# KiCad board analog_i.kicad_pcb (continued)
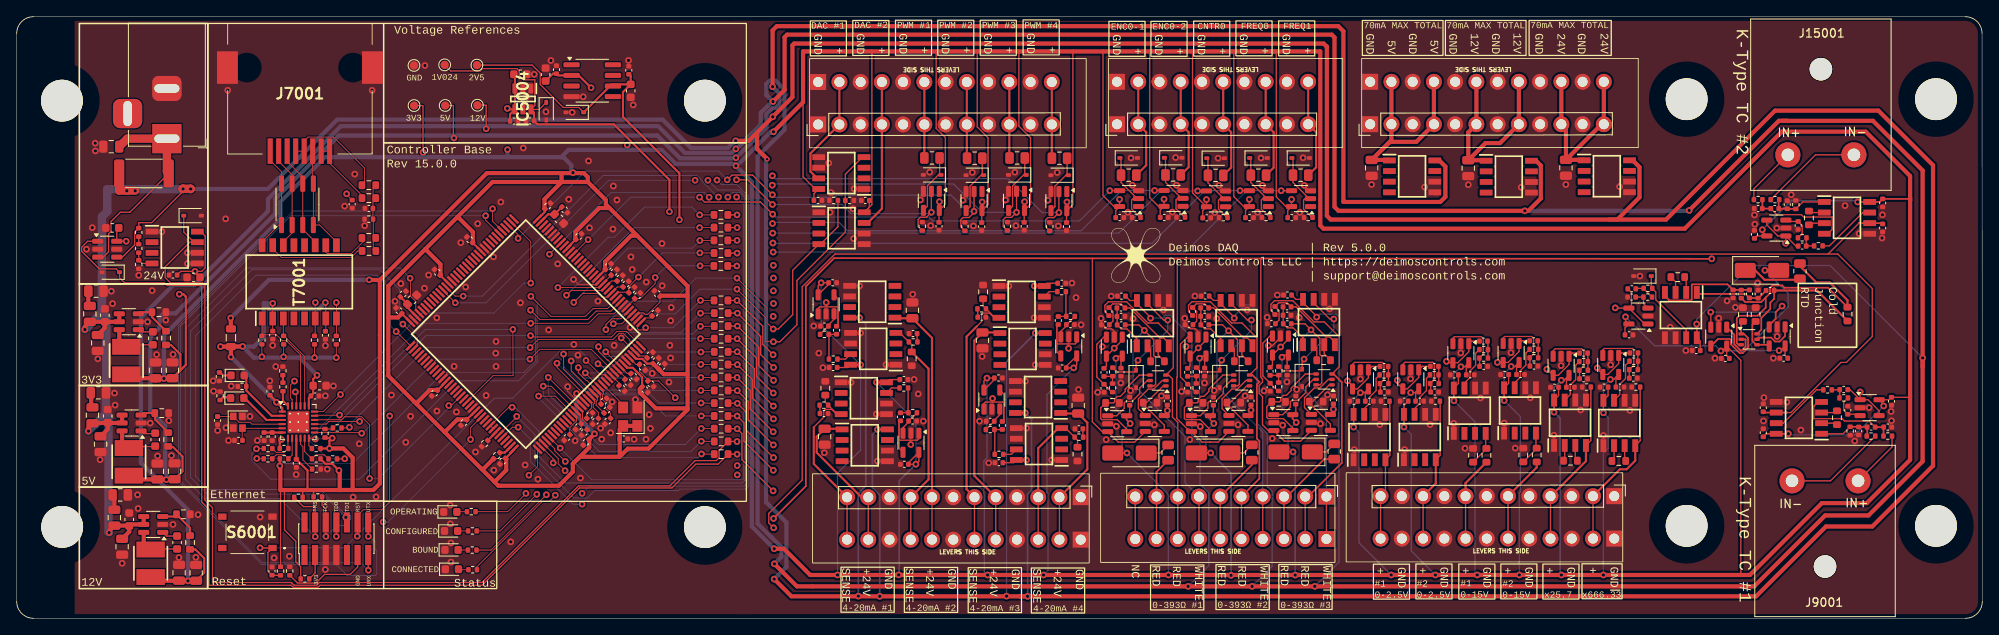
[diagram p0: board, top side]
## Nets (continued)
/analog_frontend/4-20mA Frontend1/sallen_key_3kHz3/VIN: IC14001.7 R33001.1
/analog_frontend/4-20mA Frontend2/sallen_key_3kHz3/VIN: IC18001.7 R31001.1
/analog_frontend/4-20mA Frontend3/sallen_key_3kHz3/VIN: IC22001.7 R29001.1
/analog_frontend/4-20mA Frontend/sallen_key_3kHz3/VIN: IC11001.7 R35001.1
/analog_frontend/ain_0-15V_1/sallen_key_3kHz8/VIN: IC40001.7 R41001.1
/analog_frontend/ain_0-15V_1/VIN: J3004.6 R40001.2
/analog_frontend/ain_0-15V_/sallen_key_3kHz8/VIN: IC42001.7 R43001.1
/analog_frontend/ain_0-15V_/VIN: J3004.8 R42001.2
/analog_frontend/ain_g1_1/sallen_key_3kHz7/VIN: IC44001.7 R45001.1
/analog_frontend/ain_g1_1/VIN: IC44001.4 J3004.10 R44001.1
/analog_frontend/ain_g1_/sallen_key_3kHz7/VIN: IC46001.7 R47001.1
/analog_frontend/ain_g1_/VIN: IC46001.4 J3004.12 R46001.1
/analog_frontend/ain_g25p7_/sallen_key_1kHz2/VIN: IC38001.7 R39001.1
/analog_frontend/ain_g25p7_/VIN: IC38001.4 J3004.4 R38002.1
/analog_frontend/ain_g666p333_/sallen_key_100Hz1/VIN: IC36001.7 R37001.2
/analog_frontend/ain_g666p333_/VIN: IC36001.4 J3004.2 R36002.1
/analog_frontend/K-Type TC Amp1/sallen_key_1kHz/VIN: IC15001.7 R19001.1
/analog_frontend/K-Type TC Amp/sallen_key_1kHz/VIN: IC9001.7 R17001.1
/analog_frontend/pwm_in_buf1/VIN: J3005.2 R48001.1
/analog_frontend/pwm_in_buf2/VIN: J3005.10 R52001.1
/analog_frontend/pwm_in_buf3/VIN: J3005.8 R51001.1
/analog_frontend/pwm_in_buf4/VIN: J3005.6 R50001.1
/analog_frontend/pwm_in_buf/VIN: J3005.4 R49001.1
GND: C3001.1 C3002.1 C3003.1 C4001.1 C4003.2 C4004.2 C4007.2 C4010.2 C5001.1 C5003.2 C5004.2 C5007.2 C5008.2 C5009.1 C5010.2 C5012.1 C6001.2 C6002.2 C6003.2 C6004.2 C6005.2 C6006.2 C6007.2 C6008.2 C6009.2 C6010.2 C6011.2 C6012.2 C6013.2 C6016.2 C6017.2 C6018.2 C6019.2 C6020.2 C6021.1 C6022.1 C6023.1 C6024.1 C6025.1 C6026.1 C6027.1 C6028.1 C6029.1 C6030.1 C6031.1 C6032.1 C6033.1 C6034.1 C6035.1 C6036.1 C6037.1 C6038.1 C6039.1 C6040.2 C6041.1 C6043.1 C6048.1 C6049.1 C6050.1 C6051.1 C7001.1 C7002.1 C7003.1 C7004.1 C7005.1 C7006.1 C7007.1 C7008.1 C7009.1 C7010.1 C7011.1 C7012.2 C8001.2 C8003.2 C8005.1 C8006.1 C9001.2 C9003.2 C9004.2 C9006.1 C10002.2 C10003.2 C10005.2 C10006.2 C11001.2 C11002.1 C11003.2 C11005.2 C11007.2 C11008.2 C12001.2 C12003.2 C12007.2 C12008.2 C13001.1 C13003.2 C13004.2 C13007.2 C13010.2 C14001.2 C14002.1 C15001.2 C15003.2 C15004.2 C15005.1 C15006.1 C15008.1 C17001.1 C17003.2 C17004.2 C17005.1 C17007.2 C17008.1 C17009.1 C17010.2 C18001.2 C18002.1 C19001.1 C19003.1 C20001.1 C21001.1 C21003.1 C22001.2 C22002.1 C24001.1 C24002.1 C24004.1 C27001.1 C27003.1 C28001.1 C29001.1 C29003.1 C31001.1 C31003.1 C33001.1 C33003.1 C35001.1 C35003.1 C36001.1 C37001.1 C37003.1 C38001.1 C39001.1 C39003.1 C40001.1 C41001.1 C41003.1 C42001.1 C43001.1 C43003.1 C44001.1 C45001.1 C45003.1 C46001.1 C47001.1 C47003.1 C48001.1 C49001.1 C50001.1 C51001.1 C52001.1 C53001.1 C54001.1 C55001.1 C56001.1 C57001.1 C58001.1 D4002.2 D5002.2 D6001.1 D6002.1 D6003.1 D6004.1 D6005.2 D8001.2 D8002.2 D9001.2 D23001.2 D26001.2 D48001.2 D49001.2 D50001.2 D51001.2 D52001.2 D55001.2 D56001.2 D57001.2 D58001.2 IC3001.5 IC3001.6 IC3002.5 IC3002.6 IC3003.5 IC3003.6 IC4001.5 IC4001.6 IC4002.2 IC4003.2 IC5001.5 IC5001.6 IC5002.2 IC5003.2 IC5004.1 IC5004.2 IC6001.16 IC6001.31 IC6001.38 IC6001.51 IC6001.61 IC6001.83 IC6001.94 IC6001.107 IC6001.120 IC6001.130 IC8001.1 IC8001.5 IC8001.6 IC9001.5 IC10001.2 IC11001.1 IC11001.5 IC11001.6 IC11002.2 IC12001.2 IC13001.5 IC13001.6 IC13002.2 IC13003.2 IC14001.1 IC14001.5 IC14001.6 IC15001.5 IC17001.5 IC17001.6 IC17002.2 IC17003.2 IC17004.5 IC17004.6 IC18001.1 IC18001.5 IC18001.6 IC20001.5 IC20001.6 IC22001.1 IC22001.5 IC22001.6 IC24001.5 IC24001.6 IC28001.5 IC28001.6 IC36001.1 IC36001.5 IC36001.6 IC38001.1 IC38001.5 IC38001.6 IC40001.1 IC40001.5 IC40001.6 IC42001.1 IC42001.5 IC42001.6 IC44001.1 IC44001.5 IC44001.6 IC46001.1 IC46001.5 IC46001.6 IC53001.1 IC53001.5 IC53001.6 IC54001.1 IC54001.5 IC54001.6 J3001.1 J3001.3 J3001.5 J3001.7 J3001.9 J3001.11 J3003.1 J3003.4 J3003.7 J3003.10 J3004.1 J3004.3 J3004.5 J3004.7 J3004.9 J3004.11 J3005.1 J3005.3 J3005.5 J3005.7 J3005.9 J3006.1 J3006.3 J3006.5 J3006.7 J3006.9 J3006.11 J6001.5 J6001.7 J7001.9 J7001.10 J8001.2 R4006.2 R4009.2 R5006.2 R5009.2 R6022.2 R6024.1 R7010.1 R7012.2 R7015.1 R7017.1 R7019.2 R7024.2 R8005.1 R9003.2 R10001.2 R10003.2 R11002.1 R11003.2 R11005.2 R12002.2 R12003.2 R13006.2 R13009.2 R14002.1 R15003.2 R17006.2 R17009.2 R18002.1 R22002.1 R36002.2 R38002.2 R40002.2 R42002.2 R44001.2 R46001.2 R48002.2 R49002.2 R50002.2 R51002.2 R52002.2 R53001.2 R54001.2 R55001.2 R56001.2 R57001.2 R58001.2 S6001.C1 TP8002.1 U6002.4 U7001.25 U8001.2 U8001.5 U15001.2 U17002.2 U19001.2 U21001.2 U24001.2 U27001.2 U29001.2 U31001.2 U33001.2 U35001.2 U37001.2 U39001.2 U41001.2 U43001.2 U45001.2 U47001.2 U48001.3 U49001.3 U50001.3 U51001.3 U52001.3 U55001.3 U56001.3 U57001.3 U58001.3 Y6001.2 Y7001.2 Y7001.4
/analog_frontend/4-20mA Frontend1/+24_EXC: C20001.2 IC20001.1 J3003.8
/analog_frontend/4-20mA Frontend1/SIGNAL: IC14001.4 J3003.9 R14001.2 R14002.2
/analog_frontend/4-20mA Frontend2/+24_EXC: C24001.2 IC24001.1 J3003.5
/analog_frontend/4-20mA Frontend2/SIGNAL: IC18001.4 J3003.6 R18001.2 R18002.2
/analog_frontend/4-20mA Frontend3/+24_EXC: C28001.2 IC28001.1 J3003.2
/analog_frontend/4-20mA Frontend3/SIGNAL: IC22001.4 J3003.3 R22001.2 R22002.2
/analog_frontend/4-20mA Frontend/+24_EXC: C17008.2 IC17004.1 J3003.11
/analog_frontend/4-20mA Frontend/SIGNAL: IC11001.4 J3003.12 R11001.2 R11002.2
/analog_frontend/AIN2: C15007.2 R6003.1 U15001.1 U15001.4
/analog_frontend/AIN3: C35002.2 R6007.1 U35001.1 U35001.4
/analog_frontend/AIN4: C33002.2 R6008.1 U33001.1 U33001.4
/analog_frontend/AIN5: C31002.2 R6004.1 U31001.1 U31001.4
/analog_frontend/AIN6: C29002.2 R6005.1 U29001.1 U29001.4
/analog_frontend/AIN7: C21002.2 R6006.1 U21001.1 U21001.4
/analog_frontend/AIN8: C24003.2 R6009.1 U24001.1 U24001.4
/analog_frontend/AIN9: C27002.2 R6010.1 U27001.1 U27001.4
/analog_frontend/AIN10: C17006.2 R6011.1 U17002.1 U17002.4
/analog_frontend/AIN11: C19002.2 R6012.1 U19001.1 U19001.4
/analog_frontend/AIN12: C47002.2 R6013.1 U47001.1 U47001.4
/analog_frontend/AIN13_DAC0: IC6001.40 IC53001.4 R53001.1
/analog_frontend/AIN14_DAC1: IC6001.41 IC54001.4 R54001.1
/analog_frontend/AIN15: C45002.2 R6016.1 U45001.1 U45001.4
/analog_frontend/AIN16: C43002.2 R6017.1 U43001.1 U43001.4
/analog_frontend/AIN17: C41002.2 R6018.1 U41001.1 U41001.4
/analog_frontend/AIN18: C39002.2 R6019.1 U39001.1 U39001.4
/analog_frontend/AIN19: C37002.2 R6020.1 U37001.1 U37001.4
/analog_frontend/COUNTER0: IC6001.96 U50001.4
/analog_frontend/dac_buf1/VOUT: IC54001.7 J3006.4
/analog_frontend/dac_buf/VOUT: IC53001.7 J3006.2
/analog_frontend/ENCODER0_0: IC6001.60 U48001.4
/analog_frontend/ENCODER0_1: IC6001.64 U49001.4
/analog_frontend/FREQ0: IC6001.136 IC6001.137 U51001.4
/analog_frontend/FREQ1: IC6001.5 U52001.4
/analog_frontend/K-Type TC Amp1/Signal+: C15001.1 C15002.1 IC15001.4 R15001.2
/analog_frontend/K-Type TC Amp1/Signal-: C15002.2 C15003.1 IC15001.1 R15002.1 R15003.1
/analog_frontend/K-Type TC Amp/Signal+: C9001.1 C9002.1 IC9001.4 R9001.2
/analog_frontend/K-Type TC Amp/Signal-: C9002.2 C9003.1 IC9001.1 R9002.1 R9003.1
/analog_frontend/PWM0: IC6001.97 R55001.1 U55001.2
/analog_frontend/PWM1: IC6001.75 R56001.1 U56001.2
/analog_frontend/PWM2: IC6001.139 R57001.1 U57001.2
/analog_frontend/PWM3: IC6001.140 R58001.1 U58001.2
/analog_frontend/pwm_out_buf1/VOUT: J3006.8 R56002.2
/analog_frontend/pwm_out_buf2/VOUT: J3006.10 R57002.2
/analog_frontend/pwm_out_buf3/VOUT: J3006.12 R58002.2
/analog_frontend/pwm_out_buf/VOUT: J3006.6 R55002.2
/analog_frontend/RTD Amp1/R+: J3002.6 R13003.2
/analog_frontend/RTD Amp1/R-: J3002.5 R13004.2 U13001.3
/analog_frontend/RTD Amp1/rtd_amp_inner/Signal+: C13001.2 C13002.1 IC13001.4 R13004.1
/analog_frontend/RTD Amp1/rtd_amp_inner/Signal-: C13002.2 C13003.1 IC13001.1 R13005.1
/analog_frontend/RTD Amp1/rtd_amp_inner/Vout: D23001.1 IC13001.7 R24001.1
/analog_frontend/RTD Amp1/W-: J3002.4 R13005.2 U13001.6
/analog_frontend/RTD Amp2/R+: J3002.3 R17003.2
/analog_frontend/RTD Amp2/R-: J3002.2 R17004.2 U17001.3
/analog_frontend/RTD Amp2/rtd_amp_inner/Signal+: C17001.2 C17002.1 IC17001.4 R17004.1
/analog_frontend/RTD Amp2/rtd_amp_inner/Signal-: C17002.2 C17003.1 IC17001.1 R17005.1
/analog_frontend/RTD Amp2/rtd_amp_inner/Vout: D26001.1 IC17001.7 R27001.1
/analog_frontend/RTD Amp2/W-: J3002.1 R17005.2 U17001.6
/analog_frontend/RTD Amp/R+: J3002.9 R5003.2
/analog_frontend/RTD Amp/R-: J3002.8 R5004.2 U5001.3
/analog_frontend/RTD Amp/rtd_amp_inner/Signal+: C5001.2 C5002.1 IC5001.4 R5004.1
/analog_frontend/RTD Amp/rtd_amp_inner/Signal-: C5002.2 C5003.1 IC5001.1 R5005.1
/analog_frontend/RTD Amp/rtd_amp_inner/Vout: D9001.1 IC5001.7 R21001.1
/analog_frontend/RTD Amp/W-: J3002.7 R5005.2 U5001.6
/analog_frontend/rtd_amp_inner1/250uA_SINK_1: R3001.1 R4005.2 U4001.6
/analog_frontend/rtd_amp_inner1/250uA_SINK_2: R3001.2 R4003.2 R4004.2 U4001.3
/analog_frontend/rtd_amp_inner1/Signal+: C4001.2 C4002.1 IC4001.4 R4004.1
/analog_frontend/rtd_amp_inner1/Signal-: C4002.2 C4003.1 IC4001.1 R4005.1
/analog_frontend/rtd_amp_inner1/Vout: D4002.1 IC4001.7 R15004.2
/base/AIN0: D8001.1 R6001.1 U8001.1
/base/AIN1: D8002.1 IC8001.7 R6002.1
/base/Micro/AIN0_Filt: C6001.1 IC6001.13 R6001.2
/base/Micro/AIN1_Filt: C6002.1 IC6001.14 R6002.2
/base/Micro/AIN2_Filt: C6003.1 IC6001.15 R6003.2
/base/Micro/AIN3_Filt: C6007.1 IC6001.18 R6007.2
/base/Micro/AIN4_Filt: C6008.1 IC6001.19 R6008.2
/base/Micro/AIN5_Filt: C6004.1 IC6001.20 R6004.2
/base/Micro/AIN6_Filt: C6005.1 IC6001.21 R6005.2
/base/Micro/AIN7_Filt: C6006.1 IC6001.22 R6006.2
/base/Micro/AIN8_Filt: C6009.1 IC6001.26 R6009.2
/base/Micro/AIN9_Filt: C6010.1 IC6001.28 R6010.2
/base/Micro/AIN10_Filt: C6011.1 IC6001.29 R6011.2
/base/Micro/AIN11_Filt: C6012.1 IC6001.34 R6012.2
/base/Micro/AIN12_Filt: C6013.1 IC6001.37 R6013.2
/base/Micro/AIN15_Filt: C6016.1 IC6001.42 R6016.2
/base/Micro/AIN16_Filt: C6017.1 IC6001.46 R6017.2
/base/Micro/AIN17_Filt: C6018.1 IC6001.47 R6018.2
/base/Micro/AIN18_Filt: C6019.1 IC6001.49 R6019.2
/base/Micro/AIN19_Filt: C6020.1 IC6001.50 R6020.2
/base/Micro/DEBUG_RESET: C6027.2 IC6001.25 J6001.12 R6028.2 S6001.A1 U7001.15
/base/Micro/DEBUG_TCK/SWCLK: IC6001.109 J6001.6 R6030.1
/base/Micro/DEBUG_TDI: IC6001.110 J6001.10
/base/Micro/DEBUG_TDO/SWO: IC6001.133 J6001.8
/base/Micro/DEBUG_TMS/SWDIO: IC6001.105 J6001.4 R6029.1
/base/Micro/Ethernet/RX+: R7013.1 T7001.6 U7001.23
/base/Micro/Ethernet/RX-: R7011.1 T7001.8 U7001.22
/base/Micro/Ethernet/TX+: R7018.1 T7001.1 U7001.21
/base/Micro/Ethernet/TX-: R7016.1 T7001.3 U7001.20
/base/Micro/HSECLK: IC6001.23 Y6001.3
/base/Micro/LED0: IC6001.4 R6023.2
/base/Micro/LED1: IC6001.3 R6025.2
/base/Micro/LED2: IC6001.2 R6026.2
/base/Micro/LED3: IC6001.1 R6027.2
/base/Micro/RMII_CRS_DV: IC6001.43 R7005.1
/base/Micro/RMII_MDC: IC6001.27 U7001.13
/base/Micro/RMII_MDIO: IC6001.36 R7008.1 U7001.12
/base/Micro/RMII_REF_CLK: IC6001.35 R7007.2
/base/Micro/RMII_RXD0: IC6001.44 R7001.2
/base/Micro/RMII_RXD1: IC6001.45 R7003.2
/base/Micro/RMII_TX_EN: IC6001.126 U7001.16
/base/Micro/RMII_TXD0: IC6001.128 U7001.17
/base/Micro/RMII_TXD1: IC6001.74 U7001.18
/base/Micro/UART_RX: IC6001.78 J6001.13
/base/Micro/UART_TX: IC6001.77 J6001.14
Net-(C7012-Pad1): C7012.1 R7020.2 R7021.1 R7022.1 R7023.2 R7024.1
Net-(C10004-Pad2): C10004.2 R10003.1
Net-(C11001-Pad1): C11001.1 R11001.1
Net-(C11004-Pad2): C11004.2 R11003.1
Net-(C12002-Pad2): C12002.2 R12003.1
Net-(C14001-Pad1): C14001.1 R14001.1
Net-(C15007-Pad1): C15007.1 R15004.1 R15006.2
Net-(C17006-Pad1): C17006.1 R17001.2 R17007.1
Net-(C18001-Pad1): C18001.1 R18001.1
Net-(C19002-Pad1): C19002.1 R19001.2 R19002.1
Net-(C21002-Pad1): C21002.1 R21001.2 R21002.1
Net-(C22001-Pad1): C22001.1 R22001.1
Net-(C24003-Pad1): C24003.1 R24001.2 R24002.1
Net-(C27002-Pad1): C27002.1 R27001.2 R27002.1
Net-(C29002-Pad1): C29002.1 R29001.2 R29002.1
Net-(C31002-Pad1): C31002.1 R31001.2 R31002.1
Net-(C33002-Pad1): C33002.1 R33001.2 R33002.1
Net-(C35002-Pad1): C35002.1 R35001.2 R35002.1
Net-(C37002-Pad1): C37002.1 R37001.1 R37002.2
Net-(C39002-Pad1): C39002.1 R39001.2 R39002.1
Net-(C41002-Pad1): C41002.1 R41001.2 R41002.1
Net-(C43002-Pad1): C43002.1 R43001.2 R43002.1
Net-(C45002-Pad1): C45002.1 R45001.2 R45002.1
Net-(C47002-Pad1): C47002.1 R47001.2 R47002.1
Net-(D4001-K): D4001.1 R4003.1
Net-(D5001-K): D5001.1 R5003.1
Net-(D6001-A): D6001.2 R6023.1
Net-(D6002-A): D6002.2 R6025.1
Net-(D6003-A): D6003.2 R6026.1
Net-(D6004-A): D6004.2 R6027.1
Net-(D7001-A): D7001.2 R7012.1 U7001.2
Net-(D7001-K): D7001.1 R7015.2
Net-(D7002-A): D7002.2 U7001.3
Net-(D7002-K): D7002.1 R7019.1
Net-(D13001-K): D13001.1 R13003.1
Net-(D17001-K): D17001.1 R17003.1
Net-(D48001-K): D48001.1 R48001.2 R48002.1 U48001.2
Net-(D49001-K): D49001.1 R49001.2 R49002.1 U49001.2
Net-(D50001-K): D50001.1 R50001.2 R50002.1 U50001.2
Net-(D51001-K): D51001.1 R51001.2 R51002.1 U51001.2
Net-(D52001-K): D52001.1 R52001.2 R52002.1 U52001.2
Net-(D55001-K): D55001.1 R55002.1 U55001.4
Net-(D56001-K): D56001.1 R56002.1 U56001.4
Net-(D57001-K): D57001.1 R57002.1 U57001.4
Net-(D58001-K): D58001.1 R58002.1 U58001.4
Net-(IC3001-VO): C3001.2 IC3001.1 J3001.2 J3001.4
Net-(IC3002-VO): C3002.2 IC3002.1 J3001.10 J3001.12
Net-(IC3003-VO): C3003.2 IC3003.1 J3001.6 J3001.8
Net-(IC4001-RG_1): IC4001.2 R4002.1
Net-(IC4001-RG_2): IC4001.3 R4002.2
Net-(IC4002--IN): IC4002.4 R4006.1 U4001.1
Net-(IC4002-OUT): IC4002.1 U4001.2
Net-(IC4003--IN): IC4003.4 R4009.1 U4001.4
Net-(IC4003-OUT): IC4003.1 U4001.5
Net-(IC5001-RG_1): IC5001.2 R5002.1
Net-(IC5001-RG_2): IC5001.3 R5002.2
Net-(IC5002--IN): IC5002.4 R5006.1 U5001.1
Net-(IC5002-OUT): IC5002.1 U5001.2
Net-(IC5003--IN): IC5003.4 R5009.1 U5001.4
Net-(IC5003-OUT): IC5003.1 U5001.5
Net-(IC6001-BOOT0): IC6001.138 R6022.1
Net-(IC6001-PDR_ON): IC6001.143 R6021.2
Net-(IC6001-VCAP_1): C6034.2 C6035.2 IC6001.71
Net-(IC6001-VCAP_2): C6040.1 C6041.2 IC6001.106
Net-(IC8001-+IN): IC8001.4 R8005.2 R8007.1
Net-(IC9001-RG_1): IC9001.2 R9005.1
Net-(IC9001-RG_2): IC9001.3 R9005.2
Net-(IC10001-CB): C10001.2 IC10001.1
Net-(IC10001-FB): IC10001.3 R10001.1 R10002.2
Net-(IC10001-SW): C10001.1 IC10001.6 L10001.2
Net-(IC11002-CB): C11006.2 IC11002.1
Net-(IC11002-FB): IC11002.3 R11004.2 R11005.1
Net-(IC11002-SW): C11006.1 IC11002.6 L11001.2
Net-(IC12001-CB): C12006.2 IC12001.1
Net-(IC12001-FB): IC12001.3 R12001.2 R12002.1
Net-(IC12001-SW): C12006.1 IC12001.6 L12001.2
Net-(IC13001-RG_1): IC13001.2 R13002.1
Net-(IC13001-RG_2): IC13001.3 R13002.2
Net-(IC13002--IN): IC13002.4 R13006.1 U13001.1
Net-(IC13002-OUT): IC13002.1 U13001.2
Net-(IC13003--IN): IC13003.4 R13009.1 U13001.4
Net-(IC13003-OUT): IC13003.1 U13001.5
Net-(IC15001-RG_1): IC15001.2 R15005.1
Net-(IC15001-RG_2): IC15001.3 R15005.2
Net-(IC17001-RG_1): IC17001.2 R17002.1
Net-(IC17001-RG_2): IC17001.3 R17002.2
Net-(IC17002--IN): IC17002.4 R17006.1 U17001.1
Net-(IC17002-OUT): IC17002.1 U17001.2
Net-(IC17003--IN): IC17003.4 R17009.1 U17001.4
Net-(IC17003-OUT): IC17003.1 U17001.5
Net-(IC36001-RG_1): IC36001.2 R36001.1
Net-(IC36001-RG_2): IC36001.3 R36001.2
Net-(IC38001-RG_1): IC38001.2 R38001.1
Net-(IC38001-RG_2): IC38001.3 R38001.2
Net-(IC40001-+IN): IC40001.4 R40001.1 R40002.1
Net-(IC42001-+IN): IC42001.4 R42001.1 R42002.1
Net-(J6001-Pin_3): J6001.3 R13007.2
Net-(J6001-Pin_11): J6001.11 R6024.2
Net-(J7001-Pad4): J7001.4 J7001.5 R7022.2
Net-(J7001-Pad7): J7001.7 J7001.8 R7023.1
Net-(J9001-Pin_1): J9001.1 R9002.2
Net-(J9001-Pin_2): J9001.2 R9001.1
Net-(J15001-Pin_1): J15001.1 R15002.2
Net-(J15001-Pin_2): J15001.2 R15001.1
Net-(R7014-Pad1): R7014.1 R7017.2
Net-(R8006-Pad2): R8006.2 R8007.2
Net-(T7001-CT_1): C7006.2 C7007.2 C7008.2 C7009.2 C7010.2 C7011.2 FB7001.2 R7011.2 R7013.2 R7016.2 R7018.2 T7001.2 T7001.7 U7001.1 U7001.19
Net-(T7001-NC_3): R7020.1 T7001.10
Net-(T7001-NC_6): R7021.2 T7001.15
Net-(T7001-RX+): D7003.3 D7003.6 J7001.3 T7001.11
Net-(T7001-RX-): D7003.4 D7003.5 J7001.6 T7001.9
Net-(T7001-TX+): D7003.1 D7003.8 J7001.1 T7001.16
Net-(T7001-TX-): D7003.2 D7003.7 J7001.2 T7001.14
Net-(U7001-CRS_DV/MODE2): R7005.2 R7006.2 U7001.11
Net-(U7001-RBIAS): R7014.2 U7001.24
Net-(U7001-RXD0/MODE0): R7001.1 R7002.2 U7001.8
Net-(U7001-RXD1/MODE1): R7003.1 R7004.2 U7001.7
Net-(U7001-RXER/PHYAD0): R7010.2 U7001.10
Net-(U7001-VDDCR): C7003.2 C7004.2 U7001.6
Net-(U7001-XTAL1/CLKIN): C7001.2 U7001.5 Y7001.3
Net-(U7001-XTAL2): C7002.2 U7001.4 Y7001.1
Net-(U7001-~{INT}/REFCLKO): R7007.1 R7009.2 U7001.14
Net-(U8001-+): C8003.1 J8001.1 R8004.2 U8001.3
Net-(U15001-+): C15005.2 R15006.1 U15001.3
Net-(U17002-+): C17005.2 R17007.2 U17002.3
Net-(U19001-+): C19001.2 R19002.2 U19001.3
Net-(U21001-+): C21001.2 R21002.2 U21001.3
Net-(U24001-+): C24002.2 R24002.2 U24001.3
Net-(U27001-+): C27001.2 R27002.2 U27001.3
Net-(U29001-+): C29001.2 R29002.2 U29001.3
Net-(U31001-+): C31001.2 R31002.2 U31001.3
Net-(U33001-+): C33001.2 R33002.2 U33001.3
Net-(U35001-+): C35001.2 R35002.2 U35001.3
Net-(U37001-+): C37001.2 R37002.1 U37001.3
Net-(U39001-+): C39001.2 R39002.2 U39001.3
Net-(U41001-+): C41001.2 R41002.2 U41001.3
Net-(U43001-+): C43001.2 R43002.2 U43001.3
Net-(U45001-+): C45001.2 R45002.2 U45001.3
Net-(U47001-+): C47001.2 R47002.2 U47001.3

Pads without a net: IC3001 2 3 4 7; IC3002 2 3 4 7; IC3003 2 3 4 7; IC5004 5; IC6001 6 7 8 9 10 11 12 24 48 53 54 55 56 57 58 59 63 65 66 67 68 69 70 73 76 79 80 81 82 85 86 87 88 89 90 91 92 93 98 99 100 101 102 103 104 111 112 113 114 115 116 117 118 119 122 123 124 125 127 129 132 134 135 141 142; IC8001 2 3; IC11001 2 3; IC14001 2 3; IC17004 2 3 4 7; IC18001 2 3; IC20001 2 3 4 7; IC22001 2 3; IC24001 2 3 4 7; IC28001 2 3 4 7; IC40001 2 3; IC42001 2 3; IC44001 2 3; IC46001 2 3; IC53001 2 3; IC54001 2 3; J3002 10; J6001 1 2 9; J8001 3; S6001 B1 D1; T7001 4 5 12 13; U6002 1 3 5 7 8; U48001 1; U49001 1; U50001 1; U51001 1; U52001 1; U55001 1; U56001 1; U57001 1; U58001 1

## Via types
v1: diameter 0.8, hole 0.4, Top to Bottom, 615 vias
v2: diameter 0.6, hole 0.3, Top to Bottom, 1 via

## Routing (per net, layer and track width the routed paths; a pad name or vN(x,y) marks a point on that pad's centre or on a via; arc(x,y) is an arc through that point)
+1V024: length 282.6
  Top w0.15: D5002.1 62.48,60.89 IC5004.6 61.96,61.37 61.96,64.44 60.6,64.44 60.09,64.95 60.09,65.49 59.81,65.77 55.7,65.77 55.42,65.49 51.9,65.49 TP7005.1 ; v1(90.51,10.83) 89.93,11.41 89.93,12.54 93.93,16.55 93.93,39.67 97.85,43.59 216.61,43.59 ; 216.61,43.59 217.77,43.59 221.9,39.46 221.9,33.72 218.8,30.62 218.16,30.62 212.16,24.62 IC9001.6 ; 216.61,43.59 220.29,47.27
  Top w0.2: 211.71,24.63 211.7,24.62 IC9001.6 208.96,24.62 C9006.2 ; C15006.2 223.04,47.28 IC15001.6 220.3,47.28 220.29,47.27
  Top w0.25: v1(78.05,48.65) 78.05,52.47 71.41,59.11 62.27,59.11 C5008.1 61.86,60.52 IC5004.6
  In2.Cu w0.25: v1(78.05,48.65) 78.05,47.99 78.9,47.15 78.9,28.27 78,27.37 78,22.17 83.02,17.16 v1(86.17,17.16) 85.52,16.51 85.52,15.75 90.44,10.83 v1(90.51,10.83)
+2V5: length 347.7
  Top w0.1: v1(78.75,26.4) 76.74,28.4 C6024.2 75.48,28.55 74.48,29.55 C6023.2 74.04,30.38 IC6001.32
  Top w0.15: IC5002.3 133.67,21.07 131.73,21.07 IC5003.3 129.8,22.33 128.63,23.51 128.63,43.04 128.66,43.07 ; 202.57,36.58 v1(202.57,36.63) 202.52,36.63 202.57,36.58 ; 202.57,36.58 202.59,36.57 IC4002.3 ; 152.55,21.2 152.53,21.23 ; D6005.1 67.21,61.13 65.35,61.13 62.6,63.88 62.6,65.23 61.64,66.19 TP7003.1 ; IC17002.3 153.53,21.2 151.59,21.2 IC17003.3 149.67,22.47 148.98,23.16 148.98,26.53 148.58,26.93 148.58,27.86 148.98,28.26 148.98,28.64 148.77,28.84 148.77,43 148.82,43.05 ; 132.69,21.07 132.67,21.1 ; IC13002.3 143.68,21.08 141.74,21.08 IC13003.3 140.17,22.64 140,22.64 138.72,23.92 138.72,28.83 138.79,28.9 138.79,43.06 ; 142.7,21.08 142.67,21.11
  Top w0.2: v1(211.11,37.36) 211.07,37.36 210.35,36.64 210.35,35.85 209.57,35.07 IC4003.3 ; v1(90.5,11.95) 94.37,15.81 94.37,39.71 97.74,43.09 128.66,43.07 v1(202.7,43.01) 202.7,43.09
  Top w0.25: C6051.2 73.42,64.87 C6050.2 ; C6051.2 72.5,62.97 72.5,60 79.25,53.25 79.25,47.66 ; C6051.2 71.15,63.89 D6005.1
  In2.Cu w0.15: v1(202.57,36.63) 202.57,42.89 v1(202.7,43.01) 206.09,43.01 211.11,37.99 v1(211.11,37.36)
  In2.Cu w0.25: 79.34,26.35 78.79,26.35 v1(78.75,26.4) ; 79.34,26.35 79.34,47.6 v1(79.25,47.69) ; 79.34,26.35 79.34,21.33 82.39,18.28 v1(86.16,18.28) 86.79,17.64 86.79,15.66 v1(90.5,11.95)
  Bottom w0.15: v1(211.11,37.36) 210.39,36.63 202.58,36.63 v1(202.57,36.63)
+3V3: length 1758.5
  Top w0.1: IC6001.39 74.38,36.55 74.97,36.55 75.16,36.35 75.44,36.35 76.92,37.83 C6029.2 ; 58.43,19.11 C6028.2 57.06,19.13 R6021.1 ; 35.43,15.31 35.39,15.35 ; 34.18,15.26 34.09,15.35
  Top w0.15: U50001.5 141.82,48.79 C50001.2 ; U50001.5 v1(142.28,50.1) ; U50001.5 140.61,50.91 140.61,67.81 140.59,67.83 ; 22.17,40.54 C8006.2 21.74,40.79 v1(21.31,41.51) ; v1(190.58,28.58) 190.98,28.58 U37001.5 191.24,28.84 C37003.2 ; D5001.2 v1(132.77,19.78) ; C22002.2 119.21,18.62 IC22001.8 ; v1(102.82,28.25) 104,28.25 IC11001.8 ; 12.14,45.29 U8001.6 ; U8001.6 12.99,45.13 13,45.12 ; U8001.6 11.96,46.48 C8001.1 ; C46001.2 159.87,25.47 IC46001.8 v1(159.87,22.88) ; 94.04,61.76 94.04,52.82 95.49,51.37 IC53001.8 95.34,50.8 C53001.2 ; IC18001.8 122.87,39.77 v1(121.69,39.77) ; IC18001.8 123.33,39.76 ; IC18001.8 123.21,40.09 C18002.2 ; R13007.1 33.96,6.16 33.37,6.75 33.37,9.22 32.02,10.57 32.02,15.35 ; v1(48.58,55.75) 48.58,61.28 48.51,61.35 TP7004.1 ; v1(223.26,25.41) 223.26,25.61 U17002.5 223.9,26.15 C17009.2 226.36,26.44 226.42,26.5 ; C5007.1 v1(137.59,24.85) 137.59,24.62 IC5002.5 ; C13010.1 143.1,24.6 IC13003.5 142.75,23.72 v1(143.16,23.32) ; C44001.2 165.89,25.48 IC44001.8 v1(165.89,22.88) ; v1(177.88,26.06) 177.87,26.08 IC40001.8 178.41,28.12 C40001.2 ; v1(141.45,31.12) 141.71,31.38 U24001.5 142.06,31.22 C24004.2 ; v1(210.75,32.04) 210.92,32.04 IC4003.5 211.47,31.44 C4010.1 ; v1(120.74,18.93) 119.55,18.93 IC22001.8 ; 129.9,67.83 129.9,50.59 131.22,49.27 U48001.5 ; C17010.1 152.96,24.72 IC17003.5 152.6,23.85 v1(153.01,23.44) ; IC17002.5 157.46,24.75 v1(157.46,25.01) C17007.1 ; v1(151.31,31.24) 151.57,31.5 U27001.5 151.92,31.34 C27003.2 ; v1(178.72,30.13) 179.18,30.13 U41001.5 179.36,30.31 C41003.2 ; C39003.2 185.32,28.76 U39001.5 185.04,28.48 v1(184.71,28.48) ; v1(203.79,31.99) 203.91,31.99 IC4002.5 ; U56001.5 116.16,49.51 116.16,57.5 114.86,58.8 114.86,67.83 ; U56001.5 115.4,48.75 C56001.2 ; U56001.5 115.43,49.78 115.45,49.8 ; 102.24,67.83 102.26,67.81 102.26,49.49 IC54001.8 101.96,49.19 C54001.2 ; v1(189.74,24.59) IC36001.8 190.3,26.64 C36001.2 ; U48001.5 v1(131.88,50.13) ; U48001.5 131.43,48.82 C48001.2 ; C42001.2 172.4,28.09 IC42001.8 171.86,26.05 v1(171.87,26.03) ; C49001.2 136.74,48.84 U49001.5 ; U52001.5 151.78,49.27 150.63,50.42 150.63,67.8 150.6,67.83 ; U52001.5 151.99,48.81 C52001.2 ; U52001.5 v1(152.45,50.13) ; U58001.5 125.54,48.74 C58001.2 ; U58001.5 125.58,49.77 125.59,49.79 ; U58001.5 126.3,49.5 126.3,67.79 126.34,67.83 ; v1(21.31,41.51) 19.61,41.51 C8005.2 ; v1(21.31,41.51) 22.12,41.51 22.54,41.94 22.54,45.75 22.02,46.27 IC8001.8 ; 109.96,67.83 109.95,67.82 109.95,58.63 111.05,57.53 111.05,49.54 U55001.5 ; R6030.2 35.5,15.24 35.39,15.35 ; 119.84,67.83 119.84,58.9 121.24,57.5 121.24,49.53 U57001.5 ; 135.49,67.83 135.49,50.34 136.54,49.29 U49001.5 ; C51001.2 146.95,48.81 U51001.5 ; IC13002.5 147.6,24.63 v1(147.6,24.9) C13007.1 ; D17001.2 v1(152.63,19.91) ; R6029.2 34.2,15.24 34.09,15.35 ; U57001.5 120.51,49.81 120.53,49.82 ; U57001.5 120.48,48.77 C57001.2 ; C38001.2 184.38,26.64 IC38001.8 183.85,24.67 ; C14002.2 99.38,30.01 IC14001.8 ; 145.39,67.83 145.55,67.68 145.55,50.46 146.74,49.27 U51001.5 ; C19003.2 208.1,45.75 U19001.5 208.74,46.29 v1(208.74,46.49) ; U55001.5 110.33,49.81 110.34,49.83 ; U55001.5 110.29,48.78 C55001.2 ; C5010.1 133.1,24.59 IC5003.5 132.74,23.71 v1(133.15,23.31) ; IC11001.8 104.46,28.24 ; IC11001.8 104.34,28.56 C11002.2 ; v1(172.71,30.1) 173.17,30.1 U43001.5 173.35,30.28 C43003.2 ; U49001.5 v1(137.2,50.15) ; IC4002.5 206.18,30.88 206.18,5.18 ; IC4002.5 204.49,31.41 C4007.1 ; IC22001.8 119.1,18.94 ; U51001.5 v1(147.4,50.13) ; C15008.2 192.33,34.75 U15001.5 192.39,35.62 v1(192.39,36.08) ; 99.27,30.34 IC14001.8 ; IC14001.8 99.72,30.33 v1(100.91,30.33) ; C47003.2 161.27,27.08 U47001.5 161.19,26.99 v1(160.68,26.99) ; C21003.2 132.05,31.21 U21001.5 131.71,31.36 v1(131.45,31.11) ; R6028.1 31.55,15.32 31.52,15.35 ; v1(166.7,27) 167.2,27 U45001.5 167.29,27.08 C45003.2 ; D13001.2 v1(142.77,19.79) ; U33001.5 95.84,39.78 v1(96.2,40.14) 96.21,40.15 C33003.2 97.09,39.96 U33001.5 ; 125.51,30.15 C31003.2 126.39,29.95 v1(126.4,29.96) 126.76,30.32 U31001.5 125.51,30.15 ; U35001.5 106.64,18.62 C35003.2 107.52,18.43 v1(107.53,18.44) 107.89,18.8 U35001.5 ; 116.04,28.75 v1(116.03,28.74) 115.67,28.38 U29001.5 116.92,28.56 C29003.2 116.04,28.75
  Top w0.2: C9004.1 209.22,22.08 IC9001.8 211.85,22.08 v1(211.86,22.09) ; 226.42,50.3 226.3,50.18 C15004.1 222.78,49.82 IC15001.8 220.15,49.82 v1(220.14,49.81)
  Top w0.25: v1(37.4,20.33) 37.4,21.23 v1(37.73,21.56) 36.97,21.56 ; v1(37.4,20.33) 37.41,20.32 ; v1(37.4,20.33) R7008.2 ; D4001.2 209.07,41.63 v1(209.06,41.64) ; C6032.2 51.34,28.32 IC6001.121 ; v1(19.44,38.78) 19.94,38.78 20.22,38.5 20.22,30.33 C10006.1 19.57,29.67 19.57,31.58 18.44,32.71 R10002.1 ; 34.77,15.35 34.77,17.68 C7005.2 U7001.9 ; C6036.2 47.09,35.42 IC6001.108 ; C6039.2 55.57,43.89 IC6001.84 ; C6030.2 54.86,24.82 IC6001.131 ; IC6001.72 62.3,47.78 63.15,48.63 C6037.2 ; R7006.1 36.91,18.49 37.72,18.49 v1(38.53,17.69) 38.54,17.68 ; v1(66.94,26.89) 67.94,25.9 IC6001.17 ; IC6001.33 74.09,31.04 74.82,31.04 75.38,30.47 C6025.2 ; C5009.2 58.99,60.3 IC5004.4 ; v1(68.69,63.48) 67.21,64.96 U6002.2 64.75,64.96 C6048.2 64.13,65.17 C6049.2 ; IC6001.52 70.39,41.75 C6031.2 ; IC6001.62 65.82,44.3 C6033.2 ; 31.66,21.39 31.67,21.4 v1(31.65,21.4) 31.65,21.38 31.46,21.19 R7004.1 ; IC6001.95 51.69,40 C6038.2 ; IC5004.4 IC5004.3 59.58,64.96 C5012.2 ; IC5004.4 58.78,60.89 v1(58.66,61.01) ; R7002.1 v1(31.47,18.25) 31.48,18.24 ; R7009.1 36.99,21.75 ; IC6001.144 59.47,20.15 C6028.2 ; C6022.2 74.78,28.86 73.67,29.98 73.03,29.98 IC6001.30 ; 37.75,21.75 37.76,21.75